# Altium PCB 10515.0462_全联供主板(2拼版)_V1.0.PcbDoc (part 9 of 18) (continued)
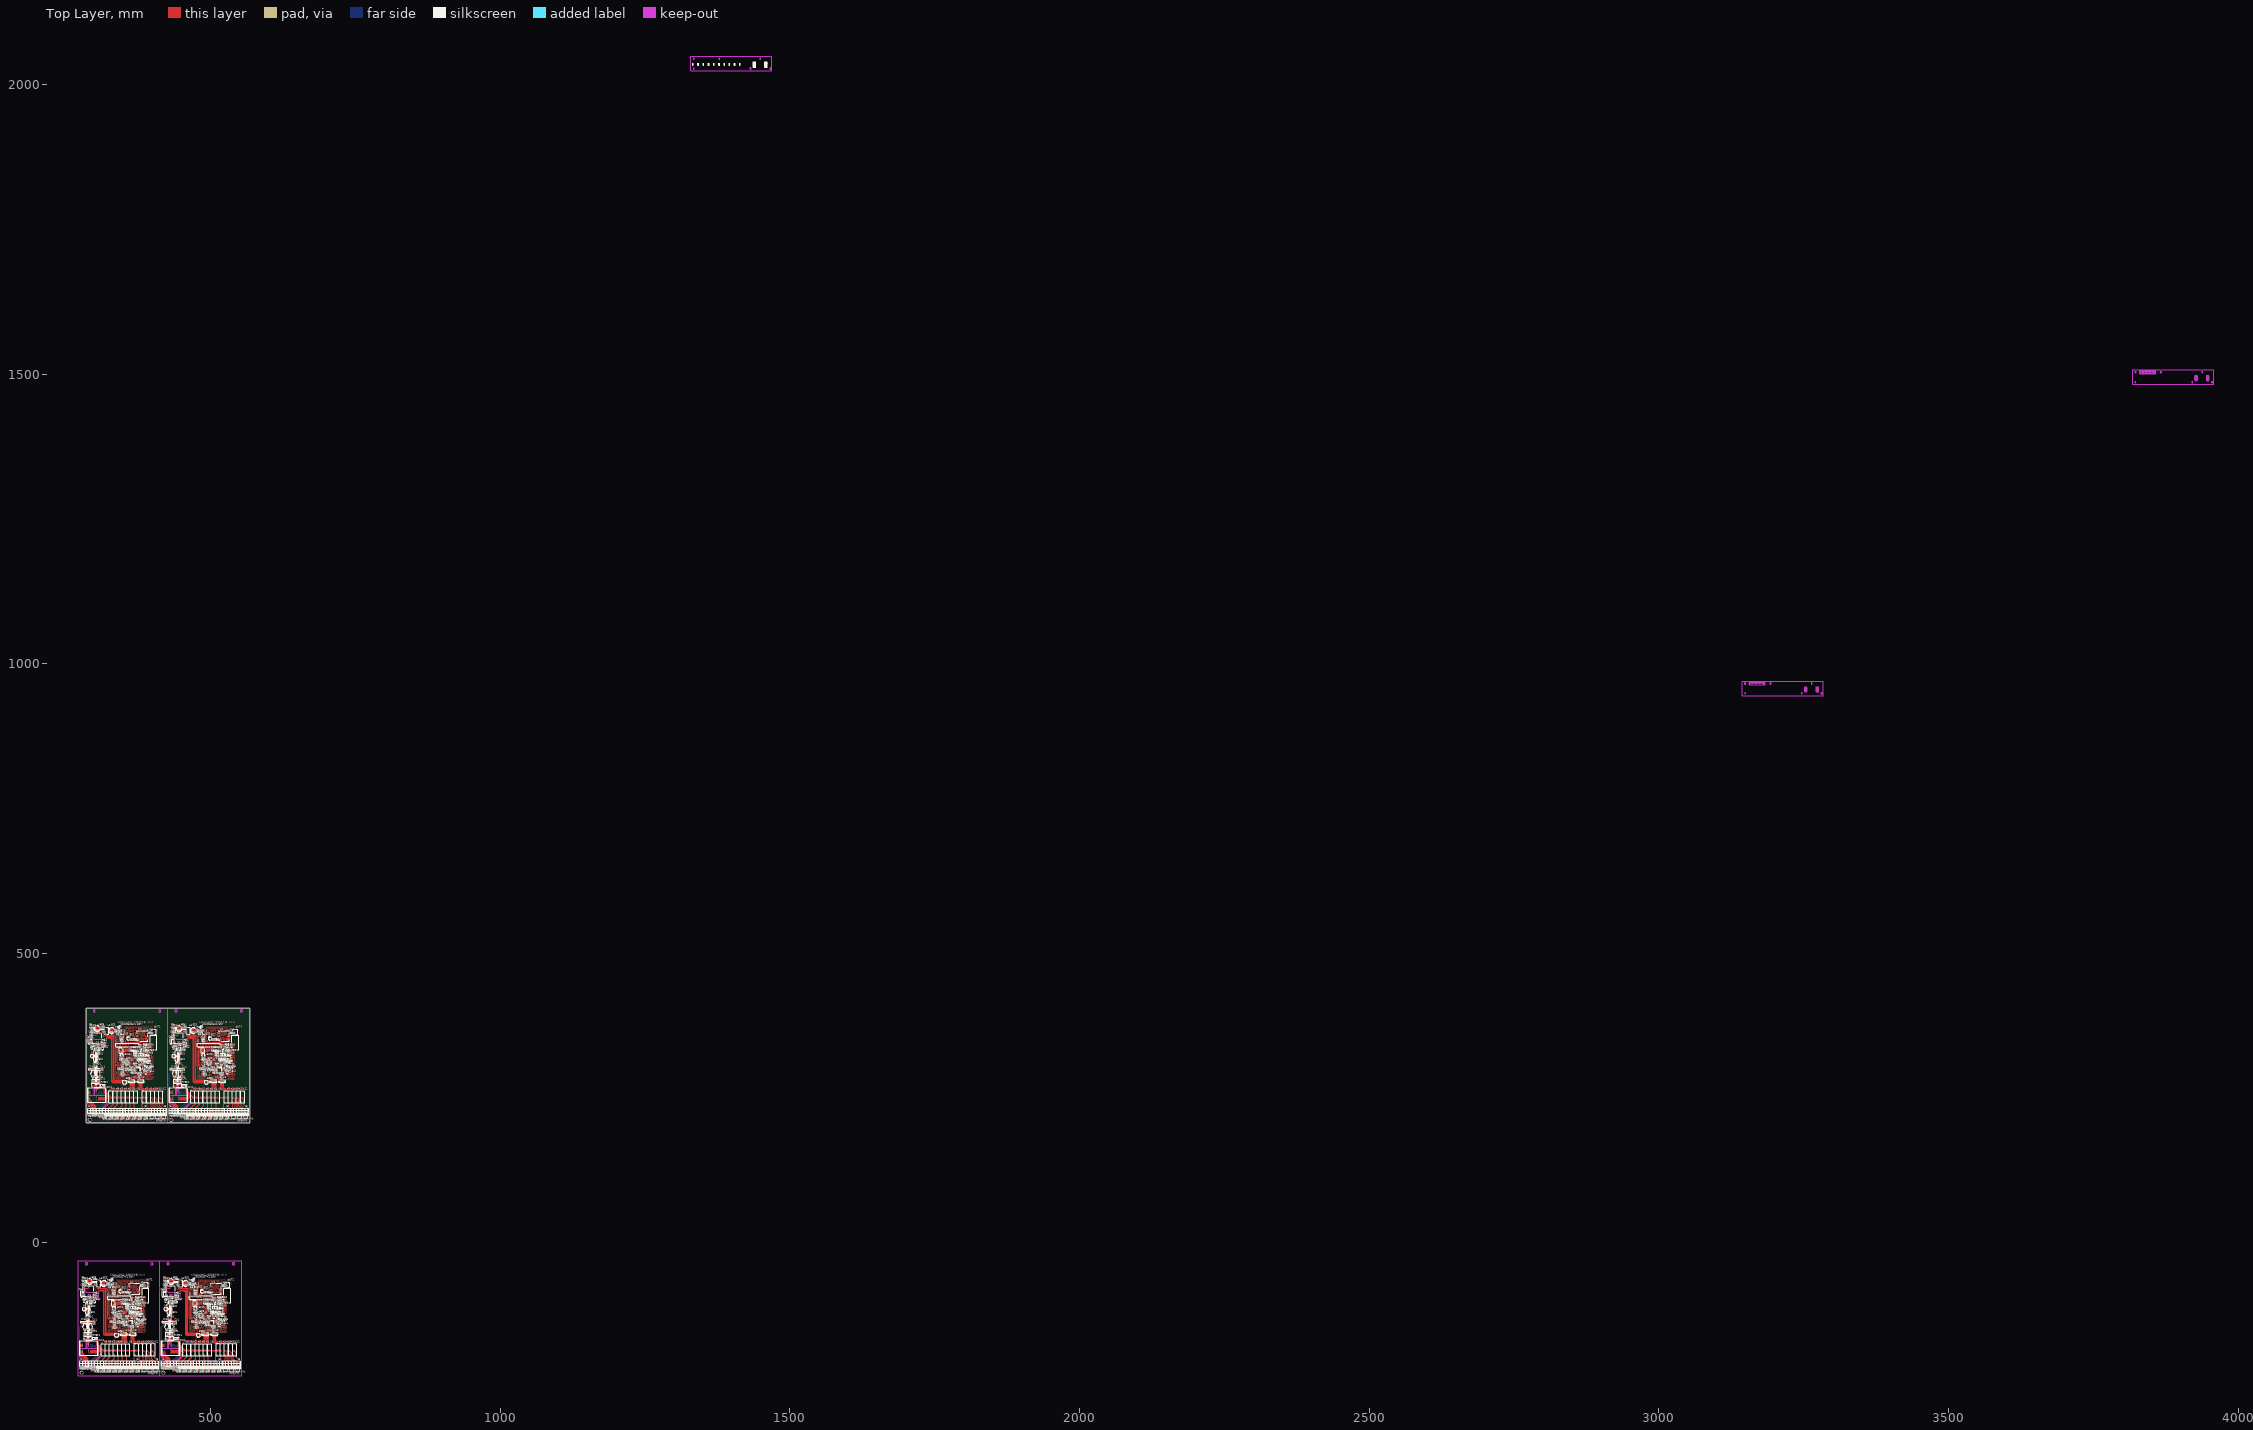
[diagram p0: Top Layer view]
## Nets (pads, with @x,y where several pads share a name; then routed paths per layer and width w, separated by ;. In a path a pad name is that pad's centre, name@x,y a point inside that pad or via, vN(x,y) a via of type N, cw(c..) or ccw(c..) an arc to the next point about the centre after c; other vN are vias at no path point) (continued)
; 334.785,365.787 ccw(c335.108,366.11) 335.409,365.766 ; 334.829,-124.334 333.889,-123.393 ; 334.832,-92.828 cw(c334.988,-92.101) 334.244,-92.101 ; 334.844,-113.345 cw(c335.455,-113.957) 336.028,-113.308 ; 334.879,-92.736 336.403,-92.736 ; 334.919,365.653 334.488,366.084 330.093,366.084 329.284,365.275 329.284,364.052 ; 334.94,-124.445 ccw(c335.524,-123.861) 336.034,-124.511 ; 335.006,-104.471 cw(c335.868,-104.471) v1@335.524,-103.681 ; 335.006,-102.371 ccw(c336.801,-102.371) v1@335.532,-103.64 ; 335.006,-101.118 335.514,-101.626 335.514,-111.024 336.474,-111.984 336.474,-112.802 ; 335.006,-96.927 335.641,-96.292 336.911,-96.292 ; 335.006,-96.061 335.006,-104.293 ; 335.046,367.318 334.501,367.862 ; 335.058,-95.495 ccw(c336.911,-93.74) 336.911,-96.292 ; 335.091,-96.057 cw(c337.154,-97.595) 337.154,-95.022 334.244,-95.022 ; 335.108,-93.018 ccw(c337.154,-91.698) 337.154,-94.133 334.741,-94.133 ; 335.119,-93.475 cw(c336.403,-94.221) 336.403,-92.736 ; 335.142,-131.051 335.142,-130.082 334.371,-129.312 325.989,-129.312 325.227,-129.312 324.581,-128.666 324.581,-95.795 ; 335.333,-112.856 cw(c335.914,-113.437) 336.458,-112.821 ; 335.382,363.925 335.382,364.565 334.878,365.068 ; 335.463,365.667 335.463,365.653 ; 335.463,367.318 v1(333.522,367.318) ; 335.476,365.653 335.463,365.653 ; 335.552,-113.399 ccw(c334.954,-112.802) 335.799,-112.802 ccw(c334.17,-112.802) 335.322,-111.65 ccw(c336.474,-110.497) 336.474,-112.127 ; 335.595,-124.634 ccw(c334.869,-125.36) 334.869,-124.334 ccw(c334.869,-123.308) 335.595,-124.033 ; 335.869,-113.101 ccw(c335.387,-113.34) 335.387,-112.802 ; 335.869,-112.503 cw(c335.387,-112.264) 335.387,-112.802 ; 336.027,-111.537 cw(c334.973,-112.591) 336.449,-112.799 ; 336.112,362.605 335.871,362.846 ; 336.149,-112.802 334.371,-114.58 334.371,-118.517 333.889,-119 333.889,-119.329 334.371,-119.812 334.371,-122.454 333.889,-122.937 333.889,-123.393 ; 336.153,363.154 334.665,364.642 334.665,365.068 ; 336.196,-124.634 cw(c336.921,-125.36) 336.921,-124.334 cw(c336.921,-123.308) 336.196,-124.033 ; 336.292,-96.292 ccw(c336.292,-95.069) 337.157,-95.934 ; 336.403,-93.128 336.403,-92.736 ; 336.544,-95.403 cw(c336.544,-96.27) 337.157,-95.657 ; 336.599,-93.625 ccw(c336.599,-92.835) 337.157,-93.394 ; 336.688,-93.625 cw(c336.688,-91.308) 335.05,-92.946 ; 336.743,-95.403 ccw(c336.743,-97.797) 335.05,-96.104 ; 336.784,-93.128 336.784,-88.164 ; 336.784,-91.371 ccw(c338.903,-91.371) 337.405,-92.87 ; 337.281,-95.403 335.133,-95.403 334.741,-95.795 ; 337.281,-94.641 334.741,-94.641 ; 337.281,-93.625 335.111,-93.625 334.741,-93.255 ; 337.281,-89.445 342.654,-84.072 342.654,-83.183 ; 337.281,-88.556 337.281,-93.255 ; 337.399,-87.402 342.236,-82.565 ; 337.901,340.491 cw(c337.155,339.745) 338.21,339.745 cw(c339.265,339.745) 338.519,340.491 cw(c339.265,339.745) 339.265,340.8 cw(c339.265,341.855) 338.519,341.109 cw(c339.265,341.855) 338.21,341.855 cw(c337.155,341.855) 337.901,341.109 ; 337.901,343.031 cw(c337.155,342.285) 338.21,342.285 cw(c339.265,342.285) 338.519,343.031 cw(c339.292,342.257) 339.292,343.351 ; 337.977,-126.104 cw(c337.977,-127.437) 338.92,-126.494 ; 337.978,-124.214 ccw(c337.992,-123.408) 338.562,-123.978 ; 337.998,341.182 ccw(c337.428,342.208) 338.602,342.208 ; 338.009,-126.098 cw(c338.237,-126.628) 338.645,-126.22 ; 338.029,340.913 cw(c339.45,340.025) 339.45,341.7 ; 338.035,-124.353 cw(c338.94,-125.259) 338.94,-123.978 ; 338.053,-124.325 cw(c338.562,-124.525) 338.562,-123.978 ; 338.056,342.931 cw(c337.759,342.143) 338.602,342.143 ; 338.058,343.19 ccw(c339.193,344.312) 339.193,342.716 ; 338.097,340.619 ccw(c338.555,341.353) 339.167,340.741 ; 338.221,343.351 340.738,343.351 340.75,343.34 ; 338.441,341.171 ccw(c339,342.065) 339.745,341.319 ; 338.519,343.649 ccw(c339.237,344.368) 339.237,343.351 ; 338.521,343.647 ccw(c340.75,345.851) 340.75,342.716 ; 338.58,340.568 cw(c340.623,339.292) 340.623,341.7 338.602,341.7 ; 338.602,340.176 339.745,341.319 ; 338.602,340.408 338.602,341.7 ; 338.602,340.607 cw(c339.745,340.046) 339.745,341.319 ; 339.636,-127.211 ccw(c340.396,-126.45) 341.028,-127.321 ; 339.646,341.7 cw(c339.646,340.257) 340.941,340.894 ; 339.667,343.351 cw(c339.667,342.257) 340.441,343.031 cw(c339.695,342.285) 340.75,342.285 cw(c341.805,342.285) 341.059,343.031 ; 339.722,343.351 ccw(c339.722,344.368) 340.441,343.649 ; 340.008,342.716 ccw(c340.008,343.805) 340.93,343.227 ; 340.144,-127.211 ccw(c340.655,-126.699) 341.053,-127.304 ; 340.175,-127.749 ccw(c340.849,-127.075) 341.409,-127.847 ; 340.257,-123.426 cw(c341.424,-124.592) 341.424,-122.943 ; 340.278,-123.406 ccw(c339.14,-122.268) 340.749,-122.268 ; 340.313,340.778 ccw(c339.745,340.75) 339.745,341.319 ; 340.358,340.607 ccw(c338.602,339.744) 338.602,341.7 ; 340.379,343.572 cw(c338.833,344.541) 338.833,342.716 340.75,342.716 ; 340.441,340.491 ccw(c339.695,339.745) 339.695,340.8 ccw(c339.695,341.855) 340.441,341.109 ccw(c339.695,341.855) 340.75,341.855 ccw(c341.805,341.855) 341.059,341.109 ; 340.531,-126.454 338.88,-126.454 ; 340.75,341.319 339.745,341.319 ; 340.75,342.208 338.602,342.208 ; 340.801,-127.608 cw(c340.34,-127.416) 340.34,-127.915 ; 340.838,-128.204 ccw(c340.34,-128.49) 340.34,-127.915 ; 340.839,-123.603 ccw(c340.349,-123.113) 340.893,-122.685 ; 340.848,-127.915 339.832,-126.899 339.832,-126.645 ; v1@340.902,-88.11 cw(c342.245,-89.454) v1@342.245,-87.554 ; 340.951,-126.645 339.832,-126.645 ; 340.956,-126.118 cw(c339.711,-127.363) 341.4,-127.861 ; 341.416,-122.268 339.705,-123.978 339.578,-123.978 ; v1@341.42,-87.466 ccw(c341.849,-87.036) v1@342.229,-87.51 ; 341.474,-81.442 cw(c344.023,-83.99) 344.023,-80.386 ccw(c344.023,-82.016) 342.871,-80.863 ccw(c341.719,-79.711) 343.348,-79.711 ; v1@341.499,-88.31 cw(c341.879,-88.784) v1@342.309,-88.354 ; v1@341.501,-88.309 cw(c342.31,-89.118) v1@342.31,-87.973 ; v1@341.501,-87.511 cw(c343.492,-89.502) 344.018,-86.736 ; v1@341.507,-88.297 cw(c341.928,-88.408) 341.928,-87.973 ; v1@341.508,-88.291 cw(c343.408,-88.291) v1@342.065,-86.948 ; v1@341.511,-87.536 cw(c342.448,-88.473) 342.448,-87.148 ; v1@341.511,-87.501 ccw(c342.653,-86.36) 342.653,-87.973 ; 341.61,-127.915 340.34,-127.915 ; 341.628,-84.209 342.654,-83.183 ; 341.73,-126.892 cw(c340.906,-127.715) 342.023,-128.044 ; 341.846,-123.107 340.975,-123.978 339.959,-123.978 ; 341.846,-122.858 cw(c341.538,-123.414) 342.174,-123.414 ; 342.118,-83.719 342.118,-81.616 342.654,-81.08 ; 342.174,-127.868 342.174,-127.605 ; v1@342.263,-88.309 cw(c343.072,-89.118) 343.072,-87.973 ; v1@342.263,-87.547 cw(c343.225,-88.509) 343.225,-87.148 cw(c343.225,-85.787) v1@342.263,-86.749 ; v1@342.263,-87.511 ccw(c343.379,-86.396) 343.379,-87.973 ; v1@342.27,-87.528 cw(c343.926,-87.432) 342.753,-86.259 ; v1@342.37,-86.642 cw(c343.77,-88.042) 344.14,-86.097 ; 342.501,-122.858 ccw(c342.81,-123.414) 342.174,-123.414 ; 342.584,-80.332 cw(c344.023,-81.771) 344.023,-79.736 ; 342.603,-87.518 ccw(c342.603,-85.916) 344.001,-86.699 ; 342.631,-87.973 ccw(c342.631,-86.602) 343.998,-86.709 ; 342.924,-127.193 ccw(c342.924,-125.861) 343.866,-126.803 ; 342.946,-127.857 cw(c343.909,-127.386) 343.151,-126.628 ; 342.947,-122.276 ccw(c343.802,-122.602) 343.155,-123.249 ; 342.981,341.109 ccw(c342.235,341.855) 343.29,341.855 ccw(c344.345,341.855) 343.599,341.109 ; 342.981,343.031 cw(c342.235,342.285) 343.29,342.285 cw(c344.345,342.285) 343.599,343.031 ; 342.981,343.649 ccw(c342.235,344.395) 343.29,344.395 ccw(c344.345,344.395) 343.599,343.649 ; 343.103,323.118 cw(c343.103,321.624) 344.16,322.681 ; 343.128,323.796 ccw(c344.241,323.895) 344.241,322.777 ; 343.158,323.121 cw(c343.23,322.254) 343.844,322.869 cw(c344.261,323.286) 343.721,323.523 ; 343.164,323.121 cw(c343.262,322.033) 344.035,322.806 cw(c344.722,323.493) 343.767,323.67 ; 343.216,-87.518 v1(341.494,-87.518) ; 343.29,336.23 343.29,340.8 ; 343.29,337.46 ccw(c344.225,337.46) 343.564,336.799 ; 343.334,-87.973 ccw(c343.334,-86.657) 344.646,-86.76 ; 343.35,-86.658 cw(c341.928,-86.547) 341.928,-87.973 ; 343.353,-86.791 ccw(c342.753,-86.863) 342.753,-86.259 ; 343.405,336.115 343.405,340.685 343.29,340.8 ; 343.405,339.468 ccw(c341.958,339.468) 342.981,340.491 cw(c342.235,339.745) 343.29,339.745 cw(c344.345,339.745) 343.599,340.491 ccw(c344.068,340.022) 343.405,340.022 ; 343.434,-86.381 cw(c341.494,-85.294) v1(341.494,-87.518) ; 343.474,-86.319 cw(c341.864,-85.171) 341.864,-87.148 ; 343.53,-127.571 cw(c344.773,-126.963) 343.794,-125.985 ; 343.546,-87.188 ccw(c342.394,-88.341) 342.394,-86.711 ccw(c342.394,-85.081) 343.546,-86.234 ; 343.555,-122.508 ccw(c344.83,-122.994) 343.865,-123.959 ; 343.571,-86.259 342.753,-86.259 ; 343.58,323.316 cw(c344.732,322.164) 344.732,323.793 cw(c344.732,325.423) 343.58,324.271 ; 343.586,-87.148 341.864,-87.148 ; 343.599,-127.863 cw(c345.481,-127.849) 344.15,-126.518 ; 343.642,-127.026 344.15,-126.518 344.785,-126.518 345.319,-125.985 345.978,-125.985 ; 343.673,-87.288 cw(c343.296,-87.91) 344.023,-87.91 ; 343.683,-123.257 ccw(c342.924,-124.016) 342.924,-122.943 cw(c342.924,-125.243) 344.55,-123.616 ; 343.709,-80.308 cw(c342.548,-82.513) v1@345.039,-82.513 ; 343.749,323.598 cw(c344.698,323.31) 344.698,324.301 ; 343.775,323.854 ccw(c344.952,323.959) 344.952,322.777 ; 343.778,323.793 ccw(c345.543,323.793) 344.295,322.546 ; 343.88,-122.946 cw(c344.558,-122.268) 343.599,-122.268 ccw(c345.784,-122.268) 344.239,-123.813 ; 344.005,-79.729 cw(c343.043,-80.691) 344.404,-80.691 ; 344.011,-79.733 cw(c343.115,-81.436) 345.039,-81.436 ; 344.048,-86.714 cw(c344.799,-86.82) 344.799,-86.061 ; 344.063,322.777 345.46,321.38 345.46,318.205 345.866,317.799 345.866,317.266 ; 344.086,-80.383 cw(c344.196,-81.57) 345.039,-80.727 ; 344.206,-87.402 345.547,-86.061 ; 344.373,-87.288 ccw(c344.75,-87.91) 344.023,-87.91 ; 344.404,-82.26 ccw(c341.474,-82.26) 343.546,-80.188 cw(c342.394,-81.341) 344.023,-81.341 cw(c345.653,-81.341) 344.5,-80.188 ; 344.404,-80.092 344.404,-83.211 344.912,-83.719 347.6,-83.719 348.291,-84.41 348.291,-83.796 347.833,-83.338 345.293,-83.338 345.039,-83.084 v1@345.039,-82.322 ; 344.412,-86.159 ccw(c344.921,-85.436) 345.547,-86.061 ; 344.468,-84.163 348.044,-84.163 ; 344.561,-123.627 ccw(c345.978,-122.211) 345.978,-124.214 ; 344.648,-126.655 cw(c345.978,-127.985) 345.978,-126.104 ; 344.649,329.845 ccw(c342.999,331.496) 345.333,331.496 ; 344.658,-124.334 344.658,-124.232 342.694,-122.268 342.174,-122.268 ; 344.673,-86.061 345.547,-86.061 ; 344.692,-86.805 cw(c345.547,-86.925) 345.547,-86.061 ; 344.695,-79.774 ccw(c345.882,-79.884) 345.039,-80.727 ; 344.989,-126.314 cw(c345.686,-127.012) 345.956,-126.063 ; 345.159,314.984 cw(c343.453,313.277) 345.866,313.277 ; 345.159,315.585 ccw(c343.453,317.292) 345.866,317.292 ; 345.268,-124.334 343.202,-122.268 342.174,-122.268 ; 345.324,328.785 cw(c344.044,327.504) 345.855,327.504 cw(c347.665,327.504) 346.385,328.785 ; 345.324,329.845 ccw(c344.406,330.763) 345.705,330.763 ; 345.333,328.793 345.333,327.73 ; 345.333,330.756 ccw(c346.62,330.756) 345.71,329.845 ; 345.333,334.149 cw(c347.145,334.149) 345.864,335.431 ; 345.333,338.08 ccw(c347.145,338.08) 345.864,336.799 ; 345.333,338.545 cw(c348.084,338.545) 346.139,340.491 ccw(c347.187,339.443) 345.705,339.443 ; 345.333,340.115 cw(c346.515,340.115) 345.679,340.951 ; 345.333,341.085 cw(c348.084,341.085) 346.139,343.031 ccw(c346.885,342.285) 345.83,342.285 ccw(c344.775,342.285) 345.521,343.031 ; 345.333,341.421 ccw(c346.367,341.421) 345.69,340.639 ; 345.333,342.655 cw(c346.515,342.655) 345.679,343.491 ; 345.441,345.365 ccw(c344.691,346.115) 345.747,346.215 ; 345.509,349.462 cw(c344.648,348.601) 345.866,348.601 ; 345.521,340.491 cw(c345.077,340.047) 345.705,340.047 ; 345.521,341.109 ccw(c344.775,341.855) 345.83,341.855 ccw(c346.885,341.855) 346.139,341.109 ; 345.705,329.465 345.705,336.115 345.705,340.675 ; 345.705,331.488 ccw(c348.027,331.488) 346.385,329.845 ; 345.705,331.804 346.476,331.032 346.476,325.317 345.855,324.696 ; 345.83,340.8 345.83,343.34 345.333,342.843 ; 345.847,313.145 cw(c344.941,312.239) 346.222,312.239 ; 345.855,329.315 345.855,324.696 ; 345.857,313.136 cw(c345.342,312.423) 346.222,312.423 ; 345.866,349.656 345.866,347.746 345.866,345.79 345.206,345.129 343.809,345.129 343.29,344.61 343.29,343.34 343.29,340.8 ; 345.973,313.159 ccw(c346.292,312.955) 346.025,312.688 ; v1@345.978,-127.076 345.978,-125.985 ; v1@345.978,-126.727 ccw(c346.735,-126.727) v1@346.2,-127.262 ; 345.978,-124.453 cw(c345.978,-125.479) 346.704,-124.754 ; 345.999,328.785 cw(c344.849,327.634) 346.476,327.634 ; 345.999,329.845 ccw(c344.849,330.996) 346.476,330.996 ; 346.055,-83.338 v1@345.039,-82.322 ; 346.058,306.013 cw(c346.058,304.648) 347.024,305.614 ; 346.116,341.131 cw(c347.597,342.843) 345.333,342.843 ; 346.222,310.966 346.222,311.347 ; 346.465,-105.318 346.465,-101.941 ; 346.476,327.375 cw(c348.47,327.375) 347.06,328.785 ; 346.476,331.032 ccw(c347.963,331.032) 347.01,329.891 ; 346.984,310.611 346.247,311.347 346.222,311.347 ; 347,305.67 ccw(c346.65,305.664) 346.65,306.013 ; 347.119,305.544 346.65,306.013 ; 347.403,-86.386 ccw(c347.403,-85.211) 348.234,-86.042 ; v1(347.452,-128.11) 347.452,-124.74 347.046,-124.334 345.978,-124.334 ; 347.452,-125.502 346.284,-124.334 345.978,-124.334 ; 347.498,317.209 cw(c346.286,315.997) 348,315.997 ; 347.498,347.804 ccw(c346.31,348.992) 347.99,348.992 ; 347.517,345.485 348.37,344.633 348.37,343.34 ; 347.517,347.852 cw(c349.795,347.852) 348.184,349.462 ccw(c348.654,348.993) 347.99,348.993 ; 347.538,317.187 cw(c347.409,316.61) 348,316.61 ; 347.591,-84.163 cw(c347.591,-85.073) 348.234,-84.43 ; 347.637,313.206 cw(c348.88,313.262) 348,314.141 ; 347.637,317.266 cw(c348.721,317.266) 347.954,318.033 ; 347.745,-83.25 cw(c346.622,-84.372) 348.21,-84.372 ; 347.795,349.462 cw(c347.326,348.993) 347.99,348.993 ; 347.833,-86.061 348.291,-86.061 ; 347.845,335.431 cw(c345.94,333.525) 348.635,333.525 ; 347.845,336.799 ccw(c345.94,338.705) 348.635,338.705 ; 347.873,336.625 347.873,341.573 ; 347.873,337.501 ccw(c348.866,337.501) 348.164,336.799 ; 347.873,338.545 cw(c350.624,338.545) 348.679,340.491 ; 347.873,340.115 cw(c349.055,340.115) 348.219,340.951 ; 347.873,341.485 ccw(c349.055,341.485) 348.219,340.649 ; 347.873,341.505 cw(c349.706,341.505) 348.627,342.987 ; 347.873,343.055 ccw(c350.624,343.055) 348.679,341.109 ; 347.873,344.494 ccw(c348.616,344.494) 348.461,343.767 ; 348.005,335.365 cw(c348.005,333.571) 349.273,334.84 ; 348.005,338.863 cw(c350.306,338.863) 348.679,340.491 ; 348.005,340.435 348.005,336.115 348.005,332.933 348.635,332.302 ; 348.05,312.669 ccw(c348.697,313.316) 349.262,312.596 ; 348.061,340.491 cw(c346.675,339.105) 348.635,339.105 ; 348.061,341.109 ccw(c347.315,341.855) 348.37,341.855 ccw(c349.425,341.855) 348.679,341.109 ; 348.061,343.031 cw(c347.315,342.285) 348.37,342.285 cw(c349.425,342.285) 348.679,343.031 cw(c349.425,342.285) 349.425,343.34 cw(c349.425,344.395) 348.679,343.649 ; 348.061,343.649 ccw(c347.315,344.395) 348.37,344.395 ccw(c349.425,344.395) 348.679,343.649 ; 348.089,335.381 cw(c348.369,334.693) 348.894,335.219 ; 348.116,-101.941 v1(348.96,-101.941) ; 348.191,343.225 ccw(c349.59,344.127) 349.59,342.462 ; 348.199,340.927 cw(c349.487,339.967) 349.487,341.573 ; 348.205,322.982 cw(c350.103,321.084) 350.103,323.768 ; 348.212,-86.082 cw(c347.833,-85.998) 347.833,-86.386 345.801,-86.386 ; 348.215,340.654 ccw(c349.029,341.424) 349.029,340.303 ; 348.305,335.89 cw(c347.509,335.094) 348.635,335.094 ; 348.305,336.339 ccw(c347.509,337.136) 348.635,337.136 ; 348.396,322.411 cw(c350.103,320.704) 350.103,323.118 ; 348.458,312.262 347.517,313.202 ; 348.472,323.25 cw(c349.084,322.638) 349.656,323.287 ; 348.508,343.859 350.032,343.859 ; 348.569,312.151 ccw(c349.153,312.735) 349.663,312.085 ; 348.635,332.124 cw(c349.497,332.124) v1@349.153,332.915 ; 348.635,334.224 ccw(c350.43,334.224) v1@349.161,332.955 ; 348.635,335.477 349.143,334.969 349.143,325.571 350.103,324.611 350.103,323.793 ; 348.635,339.668 349.27,340.303 350.54,340.303 ; 348.635,340.535 348.635,332.302 ; 348.687,341.101 ccw(c350.54,342.855) 350.54,340.303 ; 348.72,340.539 cw(c350.783,339) 350.783,341.573 347.873,341.573 ; 348.737,343.577 ccw(c350.783,344.897) 350.783,342.462 348.37,342.462 ; 348.748,343.12 cw(c350.032,342.374) 350.032,343.859 ; 348.77,305.544 348.77,306.513 348,307.283 339.618,307.283 338.856,307.283 338.21,307.93 338.21,340.8 ; 348.962,323.739 cw(c349.543,323.158) 350.086,323.775 ; 349.18,323.196 ccw(c348.583,323.793) 349.428,323.793 ccw(c347.798,323.793) 348.951,324.946 ccw(c350.103,326.098) 350.103,324.468 ; 349.223,311.961 ccw(c348.498,311.236) 348.498,312.262 ccw(c348.498,313.288) 349.223,312.562 ; 349.498,323.494 ccw(c349.016,323.256) 349.016,323.793 ; 349.498,324.093 cw(c349.016,324.331) 349.016,323.793 ; 349.656,325.058 cw(c348.602,324.004) 350.078,323.797 ; 349.661,-84.456 350.144,-83.973 353.981,-83.973 354.387,-84.379 ; 349.719,-84.475 cw(c350.931,-85.687) 350.931,-83.973 ; 349.778,323.793 348,322.015 348,318.078 347.517,317.596 347.517,317.266 348,316.784 348,314.141 347.517,313.659 347.517,313.202 ; 349.824,311.961 cw(c350.55,311.236) 350.55,312.262 cw(c350.55,313.288) 349.824,312.562 ; 349.921,340.303 ccw(c349.921,341.527) 350.786,340.662 ; 349.981,-105.275 349.981,-101.941 ; 350.032,343.467 350.032,343.859 ; 350.173,341.192 cw(c350.173,340.325) 350.786,340.938 ; 350.228,342.97 ccw(c350.228,343.76) 350.786,343.202 ; 350.317,342.97 cw(c350.317,345.287) 348.679,343.649 ; 350.371,341.192 ccw(c350.371,338.798) 348.679,340.491 ; 350.413,343.467 350.413,348.431 ; 350.413,345.224 ccw(c352.532,345.224) 351.034,343.726 ; 350.909,341.192 348.762,341.192 348.37,340.8 ; 350.91,341.954 348.37,341.954 ; 350.91,342.97 348.739,342.97 348.37,343.34 ; 350.91,347.15 356.283,352.523 356.283,353.412 ; 350.91,348.039 350.91,343.34 ; 351.028,349.193 355.865,354.031 ; 351.079,-86.061 346.69,-86.061 ; 351.161,-85.98 348.373,-85.98 348.291,-86.061 ; 351.606,310.491 cw(c351.606,309.159) 352.548,310.101 ; 351.607,312.381 ccw(c351.621,313.188) 352.191,312.617 ; 351.638,310.498 cw(c351.865,309.967) 352.274,310.376 ; 351.663,312.242 cw(c352.569,311.337) 352.569,312.617 ; 351.682,312.27 cw(c352.191,312.071) 352.191,312.617 ; 353.265,309.385 ccw(c354.025,310.146) 354.657,309.274 ; 353.301,-83.973 cw(c353.301,-85.427) 354.33,-84.399 ; 353.45,-105.318 353.45,-101.941 ; 353.773,309.385 ccw(c354.284,309.897) 354.682,309.292 ; 353.803,308.846 ccw(c354.478,309.521) 355.038,308.748 ; 353.886,313.17 cw(c355.053,312.003) 355.053,313.653 ; 353.906,313.19 ccw(c352.768,314.328) 354.378,314.328 ; 354.159,310.141 352.508,310.141 ; 354.43,308.988 cw(c353.969,309.18) 353.969,308.68 ; 354.445,-84.399 cw(c355.094,-85.048) 355.094,-84.13 ; 354.467,308.392 ccw(c353.969,308.106) 353.969,308.68 ; 354.467,312.993 ccw(c353.977,313.482) 354.522,313.911 ; 354.477,308.68 353.461,309.696 353.461,309.95 ; v1@354.53,348.485 cw(c355.874,347.142) v1@355.874,349.041 ; 354.58,309.95 353.461,309.95 ; 354.585,310.478 cw(c353.339,309.232) 355.029,308.735 ; 354.637,-84.13 357.866,-84.13 ; 355.044,314.328 353.334,312.617 353.207,312.617 ; v1@355.048,349.13 ccw(c355.478,349.559) v1@355.858,349.086 ; 355.077,-84.13 cw(c355.077,-85.048) 355.727,-84.399 ; 355.103,355.154 cw(c357.652,352.605) 357.652,356.209 ccw(c357.652,354.58) 356.5,355.732 ccw(c355.347,356.884) 356.977,356.884 ; v1@355.128,348.285 cw(c355.508,347.812) v1@355.937,348.241 ; v1@355.13,348.287 cw(c355.939,347.478) v1@355.939,348.622 ; v1@355.13,349.085 cw(c357.121,347.094) 357.647,349.86 ; v1@355.136,348.298 cw(c355.556,348.187) 355.556,348.622 ; v1@355.137,348.304 cw(c357.037,348.304) v1@355.693,349.648 ; v1@355.14,349.059 cw(c356.077,348.122) 356.077,349.447 ; v1@355.14,349.095 ccw(c356.281,350.236) 356.281,348.622 ; 355.239,308.68 353.969,308.68 ; 355.257,352.386 356.283,353.412 ; 355.359,309.704 cw(c354.535,308.88) 355.652,308.551 ; 355.475,313.489 354.604,312.617 353.588,312.617 ; 355.475,313.738 cw(c355.166,313.181) 355.803,313.181 ; 355.551,-116.162 355.551,-112.743 355.551,-111.219 ; 355.747,352.876 355.747,354.979 356.283,355.515 ; 355.803,308.728 355.803,308.99 ; 355.842,-84.399 cw(c356.491,-85.048) 356.491,-84.13 ; v1@355.892,348.287 cw(c356.701,347.478) 356.701,348.622 ; v1@355.892,349.049 cw(c356.854,348.086) 356.854,349.447 cw(c356.854,350.809) v1@355.892,349.846 ; v1@355.892,349.084 ccw(c357.007,350.2) 357.007,348.622 ; v1@355.899,349.068 cw(c357.555,349.164) 356.382,350.336 ; v1@355.999,349.953 cw(c357.399,348.554) 357.769,350.498 ; 356.13,313.738 ccw(c356.439,313.181) 355.803,313.181 ; 356.213,356.263 cw(c357.652,354.824) 357.652,356.859 ; 356.232,349.077 ccw(c356.232,350.68) 357.63,349.897 ; 356.259,348.622 ccw(c356.259,349.994) 357.627,349.886 ; 356.474,-84.13 cw(c356.474,-85.048) 357.124,-84.399 ; 356.553,309.403 ccw(c356.553,310.735) 357.494,309.793 ; 356.575,308.739 cw(c357.537,309.21) 356.78,309.967 ; 356.576,314.319 ccw(c357.431,313.993) 356.784,313.347 ; 356.844,349.077 v1(355.122,349.077) ; 356.962,348.622 ccw(c356.962,349.939) 358.275,349.836 ; 356.979,349.937 cw(c355.556,350.049) 355.556,348.622 ; 356.982,349.804 ccw(c356.382,349.732) 356.382,350.336 ; 357.063,350.214 cw(c355.123,351.301) v1(355.122,349.077) ; 357.102,350.276 cw(c355.493,351.424) 355.493,349.447 ; 357.154,-114.487 358.893,-114.487 ; 357.159,309.025 cw(c358.401,309.633) 357.423,310.611 ; 357.175,349.407 ccw(c356.022,348.255) 356.022,349.884 ccw(c356.022,351.514) 357.175,350.362 ; 357.183,314.088 ccw(c358.458,313.602) 357.494,312.637 ; 357.2,350.336 356.382,350.336 ; 357.202,-114.439 357.202,-112.743 ; 357.202,-111.219 357.202,-109.765 ; 357.215,349.447 355.493,349.447 ; 357.228,308.733 cw(c359.11,308.747) 357.779,310.077 ; 357.239,-84.399 cw(c357.888,-85.048) 357.888,-84.13 ; 357.271,309.569 357.779,310.077 358.414,310.077 358.947,310.611 359.607,310.611 ; 357.302,349.307 cw(c356.925,348.686) 357.652,348.686 ; 357.312,313.338 ccw(c356.553,312.579) 356.553,313.653 cw(c356.553,311.353) 358.179,312.979 ; 357.337,356.287 cw(c356.177,354.083) v1@358.668,354.083 ; 357.509,313.65 cw(c358.187,314.328) 357.228,314.328 ccw(c359.413,314.328) 357.868,312.783 ; 357.634,356.867 cw(c356.672,355.904) 358.033,355.904 ; 357.64,356.862 cw(c356.744,355.16) 358.668,355.16 ; 357.677,349.881 cw(c358.428,349.775) 358.428,350.534 ; 357.715,356.212 cw(c357.825,355.026) 358.668,355.869 ; 357.835,349.193 359.176,350.534 ; 358.002,349.307 ccw(c358.379,348.686) 357.652,348.686 ; 358.033,354.335 ccw(c355.102,354.335) 357.175,356.407 cw(c356.022,355.255) 357.652,355.255 cw(c359.281,355.255) 358.129,356.407 ; 358.033,356.503 358.033,353.384 358.541,352.876 361.229,352.876 361.92,352.185 361.92,352.799 361.462,353.257 358.922,353.257 358.668,353.511 v1@358.668,354.273 ; 358.041,350.436 ccw(c358.55,351.16) 359.176,350.534 ; 358.096,352.432 361.673,352.432 ; 358.19,312.968 ccw(c359.607,314.385) 359.607,312.381 ; 358.277,309.94 cw(c359.607,308.61) 359.607,310.491 ; 358.287,312.262 358.287,312.363 356.322,314.328 355.803,314.328 ; 358.302,350.534 359.176,350.534 ; 358.303,-114.487 cw(c358.303,-115.222) 358.824,-114.702 ; 358.32,349.791 cw(c359.176,349.67) 359.176,350.534 ; 358.324,356.822 ccw(c359.51,356.711) 358.668,355.869 ; 358.618,310.281 cw(c359.315,309.583) 359.585,310.533 ; 358.744,-104.438 cw(c357.781,-105.401) 359.143,-105.401 cw(c360.505,-105.401) 359.542,-104.438 ; 358.824,-114.354 ccw(c358.082,-113.612) 359.131,-113.612 ; 358.85,-107.907 cw(c358.23,-108.526) 359.107,-108.526 ; 358.896,312.262 356.83,314.328 355.803,314.328 ; 359.107,-119.095 cw(c361.115,-119.095) 360.104,-117.359 ; 359.107,-118.909 359.107,-117.933 359.948,-117.091 ; 359.107,-118.281 cw(c359.987,-118.281) 359.958,-117.401 ; 359.107,-117.964 cw(c360.456,-117.964) 359.777,-116.798 ; 359.107,-117.61 cw(c359.965,-117.61) 359.937,-116.752 ; 359.107,-109.765 359.107,-107.65 ; 359.107,-108.738 cw(c360.282,-108.738) 359.451,-107.907 ; 359.131,-114.459 v1(359.131,-112.04) 359.131,-111.202 ; v1(359.143,-105.556) 359.143,-103.658 ; v1@359.607,309.519 359.607,310.611 ; v1@359.607,309.868 ccw(c360.364,309.868) v1@359.829,309.333 ; 359.607,312.142 cw(c359.607,311.116) 360.333,311.842 ; 359.638,-117.091 cw(c358.89,-117.091) 359.419,-117.621 cw(c359.948,-118.15) 359.948,-117.401 ; 359.684,353.257 v1@358.668,354.273 ; 360.094,331.277 360.094,334.654 ; 360.758,-118.909 362.917,-118.909 362.917,-119.63 363.327,-120.041 v1(363.581,-120.041) ; 360.758,-109.765 360.758,-112.781 360.948,-112.972 360.948,-114.591 ; 360.76,-112.861 cw(c360.307,-113.315) 360.948,-113.315 ; 360.774,-114.354 ccw(c360.353,-113.933) 360.948,-113.933 ccw(c361.543,-113.933) 361.122,-114.354 ; 361.031,350.209 ccw(c361.031,351.385) 361.862,350.554 ; v1(361.081,308.486) 361.081,311.855 360.674,312.262 359.607,312.262 ; 361.081,311.093 359.912,312.262 359.607,312.262 ; 361.22,352.432 cw(c361.22,351.523) 361.862,352.166 ; 361.373,353.346 cw(c360.251,352.223) 361.838,352.223 ; 361.462,350.534 361.92,350.534 ; 361.745,334.654 v1(362.589,334.654) ; 361.84,350.514 cw(c361.462,350.597) 361.462,350.209 359.43,350.209 ; 362.279,-107.306 ccw(c361.553,-106.58) 362.579,-106.58 ccw(c363.605,-106.58) 362.88,-107.306 ccw(c363.605,-106.58) 363.605,-107.606 ccw(c363.605,-108.632) 362.88,-107.907 ; 362.679,-112.797 cw(c362.258,-113.218) 362.853,-113.218 cw(c363.448,-113.218) 363.027,-112.797 ; 362.73,-105.271 cw(c364.343,-106.884) 364.343,-104.603 ; 362.853,-114.528 362.853,-112.559 ; 363.105,-119.819 ccw(c363.581,-119.342) v1@363.581,-120.016 ; 363.29,352.14 363.772,352.622 367.609,352.622 368.016,352.216 ; 363.347,352.12 cw(c364.56,350.908) 364.56,352.622 ; 363.581,-128.806 v1(363.581,-127.28) ; 363.61,331.32 363.61,334.654 ; 363.634,-109.84 ccw(c363.105,-109.311) 363.853,-109.311 ccw(c364.601,-109.311) 364.072,-109.84 ; 363.853,-110.059 363.853,-107.749 ; 364.343,-103.658 362.579,-105.422 362.579,-107.606 365.246,-107.606 ; 364.568,-116.75 364.568,-118.909 366.854,-118.909 ; 364.708,350.534 360.319,350.534 ; 364.789,350.616 362.002,350.616 361.92,350.534 ; 364.946,-107.907 ccw(c364.22,-108.632) 364.22,-107.606 ccw(c364.22,-106.58) 364.946,-107.306 ; v1(365.291,-128.11) 366.107,-127.294 v1(366.107,-126.264) ; v1(366.121,-101.118) 367.201,-101.118 ; 366.87,-112.797 cw(c366.449,-113.218) 367.044,-113.218 cw(c367.639,-113.218) 367.218,-112.797 ; 366.93,352.622 cw(c366.93,351.169) 367.958,352.197 ; 367.044,-112.559 367.044,-113.631 368.044,-114.631 370.623,-114.631 370.727,-114.528 ; 367.079,331.277 367.079,334.654 ; 367.137,-102.039 ccw(c368.012,-102.039) 367.393,-102.658 ; 367.137,-101.118 367.137,-102.814 367.219,-102.896 ; 367.734,-114.631 ccw(c366.986,-114.631) 367.515,-114.102 ccw(c368.044,-113.573) 368.044,-114.321 ; 367.95,-105.615 cw(c366.198,-107.367) 368.675,-107.367 ; 368.073,352.197 cw(c368.723,351.548) 368.723,352.465 ; 368.169,-105.396 368.675,-105.902 368.675,-107.606 ; 368.263,-114.851 cw(c368.792,-115.38) 368.792,-114.631 cw(c368.792,-113.883) 368.263,-114.412 ; 368.265,352.465 371.495,352.465 ; 368.375,-107.306 ccw(c367.649,-106.58) 368.675,-106.58 ccw(c369.701,-106.58) 368.976,-107.306 ; 368.41,-105.156 cw(c367.768,-105.797) 368.675,-105.797 ; 368.706,352.465 cw(c368.706,351.548) 369.355,352.197 ; 368.832,-101.176 cw(c368.019,-101.989) 369.169,-101.989 ; 368.852,-101.118 369.169,-101.435 369.169,-102.896 ; 368.994,-117.131 368.994,-117.453 v1(369.804,-118.263) ; 368.995,-102.658 ccw(c368.574,-102.237) 369.169,-102.237 ccw(c369.764,-102.237) 369.343,-102.658 ; 369.179,320.434 369.179,323.852 369.179,325.376 ; 369.241,-117.195 ccw(c370.458,-117.195) v1@369.597,-118.056 ; v1@369.28,-127.28 v1(369.28,-127.153) 369.28,-126.179 369.779,-125.68 ; v1@369.28,-127.199 cw(c371.004,-127.199) 369.858,-125.911 ; 369.47,352.197 cw(c370.12,351.548) 370.12,352.465 ; 370.103,352.465 cw(c370.103,351.548) 370.752,352.197 ; 370.783,322.109 372.522,322.109 ; 370.83,322.156 370.83,323.852 ; 370.83,325.376 370.83,326.83 ; 370.867,352.197 cw(c371.517,351.548) 371.517,352.465 ; 371.932,322.109 cw(c371.932,321.373) 372.452,321.893 ; 372.373,332.158 cw(c371.41,331.195) 372.772,331.195 cw(c374.134,331.195) 373.171,332.158 ; 372.452,322.242 ccw(c371.711,322.984) 372.76,322.984